# KiCad board pcb.kicad_pcb
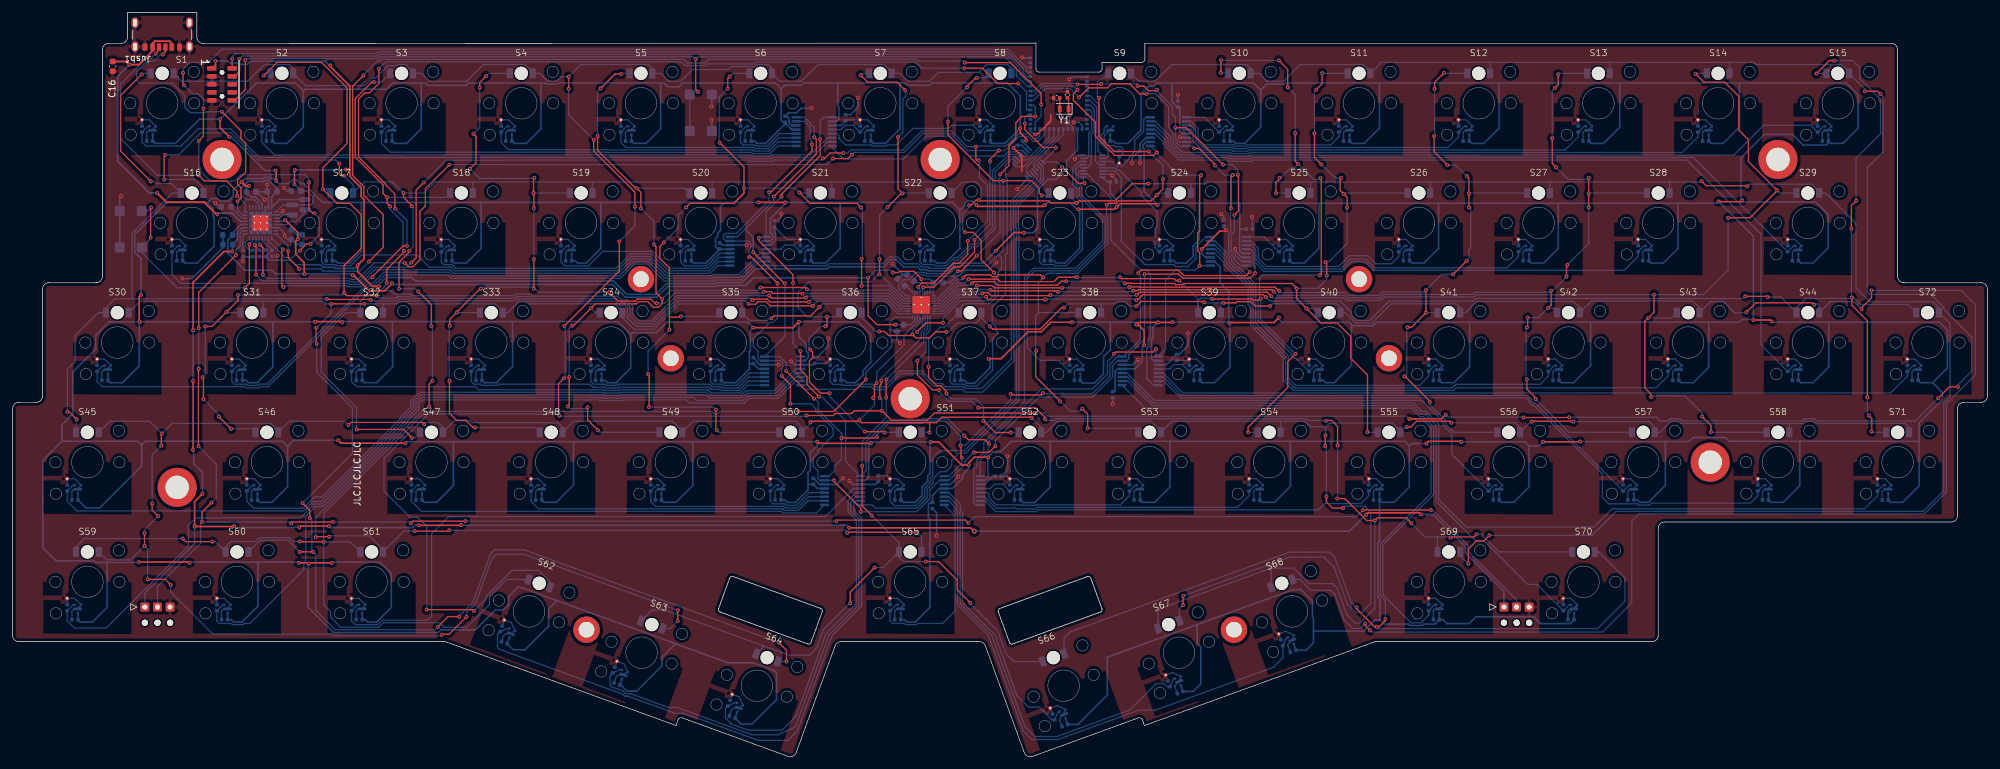
[diagram p0: board, top side]
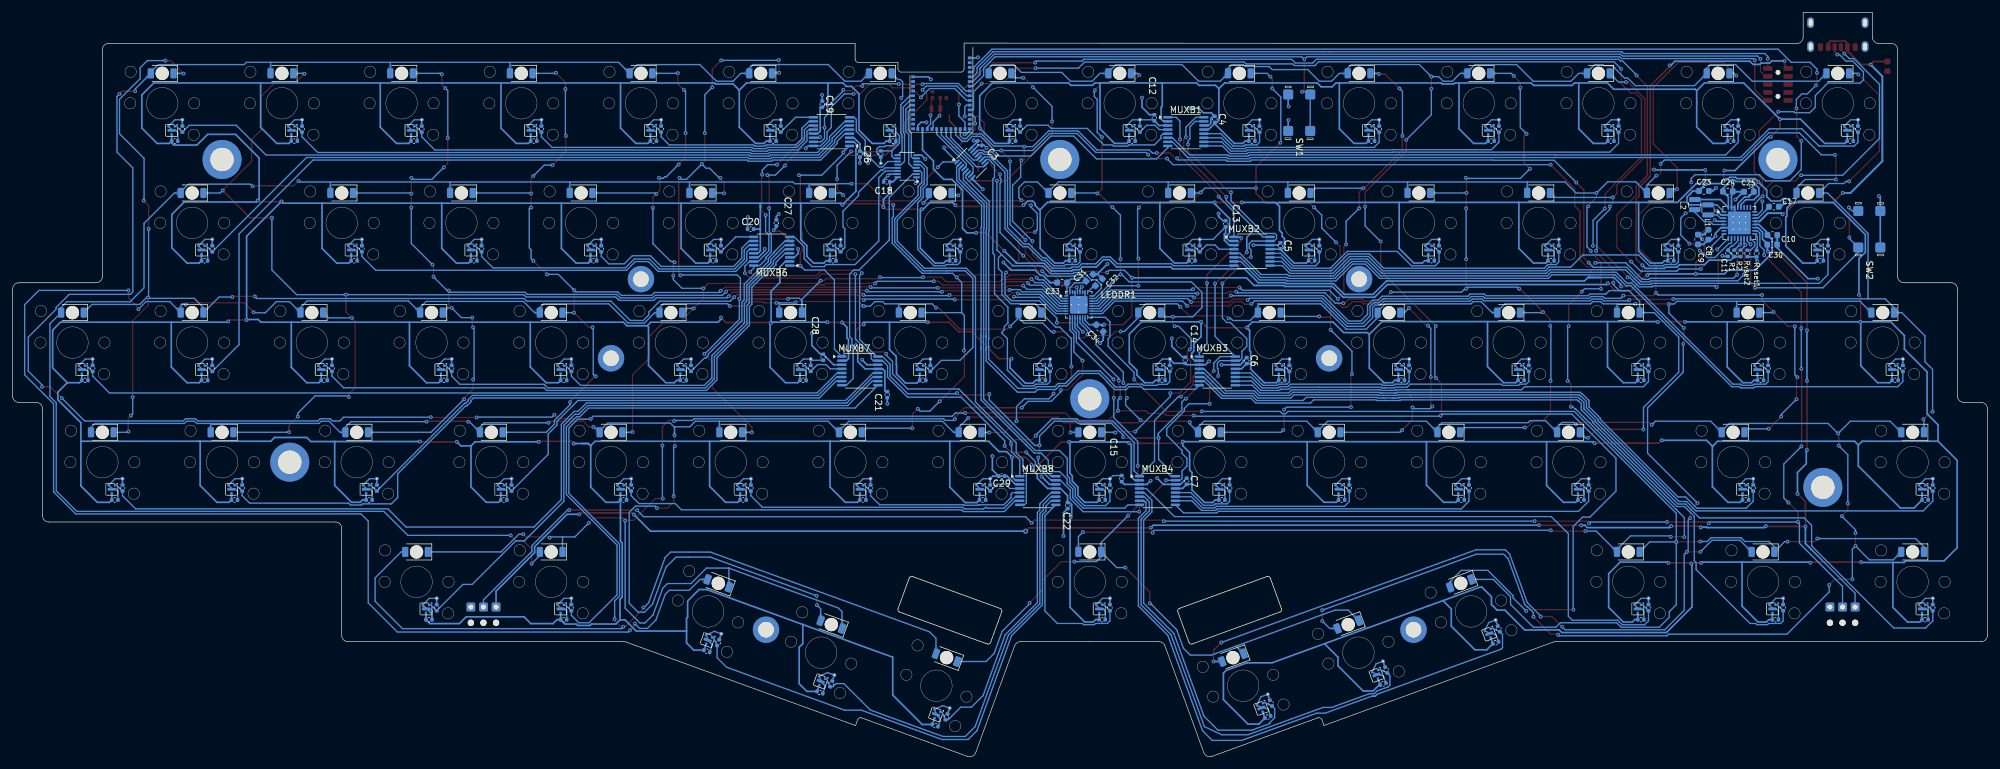
[diagram p1: board, bottom side, seen from below]

Outline 313.5 x 118.12 mm; copper layers: Top, Bottom. Coordinates in mm from the lower left corner of the outline.
Outline path: 0,55.22 arc(0.29,55.93) 1,56.22 3.75,56.22 arc(4.46,56.52) 4.75,57.22 4.75,74.22 arc(5.04,74.93) 5.75,75.22 13.25,75.22 arc(13.96,75.52) 14.25,76.22 14.25,112.22 arc(14.54,112.93) 15.25,113.22 17.25,113.22 arc(17.96,113.52) 18.25,114.22 18.25,118.12 29.25,118.12 29.25,114.22 arc(29.54,113.52) 30.25,113.22 162.45,113.27 162.45,109.17 arc(162.6,108.82) 162.95,108.67 172.45,108.67 arc(172.8,108.82) 172.95,109.17 172.95,110.22 179.25,110.22 arc(179.6,110.37) 179.75,110.72 179.75,113.22 298.25,113.22 arc(298.96,112.93) 299.25,112.22 299.25,76.22 arc(299.54,75.52) 300.25,75.22 312.5,75.22 arc(313.21,74.93) 313.5,74.22 313.5,57.22 arc(313.21,56.52) 312.5,56.22 309.75,56.22 arc(309.04,55.93) 308.75,55.22 308.75,38.22 arc(308.46,37.52) 307.75,37.22 262.25,37.22 arc(261.54,36.93) 261.25,36.22 261.25,19.22 arc(260.96,18.52) 260.25,18.22 216.45,18.22 arc(216.28,18.21) 216.11,18.16 179.68,4.9 179.35,5.82 arc(179.09,6.11) 178.71,6.12 161.89,0 arc(161.12,0.03) 160.61,0.6 154.43,17.57 arc(154.07,18.04) 153.49,18.22 131.51,18.22 arc(130.93,18.04) 130.57,17.57 124.39,0.6 arc(123.88,0.03) 123.11,0 106.29,6.12 arc(105.91,6.11) 105.65,5.82 105.32,4.9 68.89,18.16 arc(68.72,18.21) 68.55,18.22 1,18.22 arc(0.29,18.52) 0,19.22 0,55.22
Stack: Top 0.035mm / dielectric 1mm FR4 er 4.5 / Bottom 0.035mm

## Placement (name value [footprint] x y rotation side)
BAT1  ~  [PCB_Wire_Solder_3p_Connector]  23 23.72 0 top
BAT2  ~  [PCB_Wire_Solder_3p_Connector]  238.75 23.72 0 top
C1  12pF  [C_0402_1005Metric]  167.47 105.06 90 top
C2  12pF  [C_0402_1005Metric]  165.74 104.56 180 top
C3  .1uF  [C_0402_1005Metric]  159.96 97.39 45 bottom
C4  .1uF  [C_0402_1005Metric]  122.64 101.17 270 bottom
C5  .1uF  [C_0402_1005Metric]  112.23 81.09 270 bottom
C6  .1uF  [C_0402_1005Metric]  117.59 62.85 270 bottom
C7  .1uF  [C_0402_1005Metric]  127.12 43.69 270 bottom
C8  10uF  [C_0603_1608Metric]  44.29 82.86 270 bottom
C9  10uF  [C_0603_1608Metric]  45.94 82.09 270 bottom
C10  10uF  [C_0603_1608Metric]  34.14 82.8 180 bottom
C11  0.1uF  [C_0402_1005Metric]  41.18 79.89 90 bottom
C12  .1uF  [C_0402_1005Metric]  132.24 101.42 270 bottom
C13  .1uF  [C_0402_1005Metric]  120.93 84.58 270 bottom
C14  .1uF  [C_0402_1005Metric]  127.34 62.9 270 bottom
C15  .1uF  [C_0402_1005Metric]  137.43 44.12 270 bottom
C16  1uF  [C_0603_1608Metric]  15.88 109.58 270 top
C17  1uF  [C_0603_1608Metric]  33.9 87.29 180 bottom
C18  .1uF  [C_0402_1005Metric]  174.73 91.25 180 bottom
C19  .1uF  [C_0402_1005Metric]  184.96 103.58 270 bottom
C20  .1uF  [C_0402_1005Metric]  196.35 83.73 180 bottom
C21  .1uF  [C_0402_1005Metric]  174.64 57.45 90 bottom
C22  .1uF  [C_0402_1005Metric]  146.01 39.84 90 bottom
C23  10uF  [C_0603_1608Metric]  45.01 89.79 180 bottom
C24  10uF  [C_0603_1608Metric]  41.22 89.71 180 bottom
C25  2.2uF  [C_0603_1608Metric]  37.84 89.66 0 bottom
C26  .1uF  [C_0402_1005Metric]  178.99 95.64 270 bottom
C27  .1uF  [C_0402_1005Metric]  192.25 84.72 270 bottom
C28  .1uF  [C_0402_1005Metric]  184.82 63.38 270 bottom
C29  .1uF  [C_0402_1005Metric]  156.48 44.51 0 bottom
C30  2.2uF  [C_0603_1608Metric]  34.16 81.27 180 bottom
C31  1nF  [C_0603_1608Metric]  142.53 76.01 135 bottom
C32  1uF  [C_0603_1608Metric]  141.04 75.3 315 bottom
C33  1uF  [C_0603_1608Metric]  146.89 75.24 0 bottom
C34  1uF  [C_0603_1608Metric]  140.91 68 225 bottom
Cvcc1  0.1uF  [C_0402_1005Metric_Cvcc]  21.77 97.72 180 bottom
Cvcc2  0.1uF  [C_0402_1005Metric_Cvcc]  40.77 97.72 180 bottom
Cvcc3  0.1uF  [C_0402_1005Metric_Cvcc]  59.77 97.72 180 bottom
Cvcc4  0.1uF  [C_0402_1005Metric_Cvcc]  78.77 97.72 180 bottom
Cvcc5  0.1uF  [C_0402_1005Metric_Cvcc]  97.77 97.72 180 bottom
Cvcc6  0.1uF  [C_0402_1005Metric_Cvcc]  116.77 97.72 180 bottom
Cvcc7  0.1uF  [C_0402_1005Metric_Cvcc]  135.77 97.72 180 bottom
Cvcc8  0.1uF  [C_0402_1005Metric_Cvcc]  154.77 97.72 180 bottom
Cvcc9  0.1uF  [C_0402_1005Metric_Cvcc]  173.77 97.72 180 bottom
Cvcc10  0.1uF  [C_0402_1005Metric_Cvcc]  192.77 97.72 180 bottom
Cvcc11  0.1uF  [C_0402_1005Metric_Cvcc]  211.77 97.72 180 bottom
Cvcc12  0.1uF  [C_0402_1005Metric_Cvcc]  230.77 97.72 180 bottom
Cvcc13  0.1uF  [C_0402_1005Metric_Cvcc]  249.77 97.72 180 bottom
Cvcc14  0.1uF  [C_0402_1005Metric_Cvcc]  268.77 97.72 180 bottom
Cvcc15  0.1uF  [C_0402_1005Metric_Cvcc]  287.77 97.72 180 bottom
Cvcc16  0.1uF  [C_0402_1005Metric_Cvcc]  26.52 78.72 180 bottom
Cvcc17  0.1uF  [C_0402_1005Metric_Cvcc]  50.27 78.72 180 bottom
Cvcc18  0.1uF  [C_0402_1005Metric_Cvcc]  69.27 78.72 180 bottom
Cvcc19  0.1uF  [C_0402_1005Metric_Cvcc]  88.27 78.72 180 bottom
Cvcc20  0.1uF  [C_0402_1005Metric_Cvcc]  107.27 78.72 180 bottom
Cvcc21  0.1uF  [C_0402_1005Metric_Cvcc]  126.27 78.72 180 bottom
Cvcc22  0.1uF  [C_0402_1005Metric_Cvcc]  145.27 78.72 180 bottom
Cvcc23  0.1uF  [C_0402_1005Metric_Cvcc]  164.27 78.72 180 bottom
Cvcc24  0.1uF  [C_0402_1005Metric_Cvcc]  183.27 78.72 180 bottom
Cvcc25  0.1uF  [C_0402_1005Metric_Cvcc]  202.27 78.72 180 bottom
Cvcc26  0.1uF  [C_0402_1005Metric_Cvcc]  221.27 78.72 180 bottom
Cvcc27  0.1uF  [C_0402_1005Metric_Cvcc]  240.27 78.72 180 bottom
Cvcc28  0.1uF  [C_0402_1005Metric_Cvcc]  259.27 78.72 180 bottom
Cvcc29  0.1uF  [C_0402_1005Metric_Cvcc]  283.02 78.72 180 bottom
Cvcc30  0.1uF  [C_0402_1005Metric_Cvcc]  14.64 59.72 180 bottom
Cvcc31  0.1uF  [C_0402_1005Metric_Cvcc]  36.02 59.72 180 bottom
Cvcc32  0.1uF  [C_0402_1005Metric_Cvcc]  55.02 59.72 180 bottom
Cvcc33  0.1uF  [C_0402_1005Metric_Cvcc]  74.02 59.72 180 bottom
Cvcc34  0.1uF  [C_0402_1005Metric_Cvcc]  93.02 59.72 180 bottom
Cvcc35  0.1uF  [C_0402_1005Metric_Cvcc]  112.02 59.72 180 bottom
Cvcc36  0.1uF  [C_0402_1005Metric_Cvcc]  131.02 59.72 180 bottom
Cvcc37  0.1uF  [C_0402_1005Metric_Cvcc]  150.02 59.72 180 bottom
Cvcc38  0.1uF  [C_0402_1005Metric_Cvcc]  169.02 59.72 180 bottom
Cvcc39  0.1uF  [C_0402_1005Metric_Cvcc]  188.02 59.72 180 bottom
Cvcc40  0.1uF  [C_0402_1005Metric_Cvcc]  207.02 59.72 180 bottom
Cvcc41  0.1uF  [C_0402_1005Metric_Cvcc]  226.02 59.72 180 bottom
Cvcc42  0.1uF  [C_0402_1005Metric_Cvcc]  245.02 59.72 180 bottom
Cvcc43  0.1uF  [C_0402_1005Metric_Cvcc]  264.02 59.72 180 bottom
Cvcc44  0.1uF  [C_0402_1005Metric_Cvcc]  283.02 59.72 180 bottom
Cvcc45  0.1uF  [C_0402_1005Metric_Cvcc]  9.89 40.72 180 bottom
Cvcc46  0.1uF  [C_0402_1005Metric_Cvcc]  38.4 40.72 180 bottom
Cvcc47  0.1uF  [C_0402_1005Metric_Cvcc]  64.52 40.72 180 bottom
Cvcc48  0.1uF  [C_0402_1005Metric_Cvcc]  83.52 40.72 180 bottom
Cvcc49  0.1uF  [C_0402_1005Metric_Cvcc]  102.52 40.72 180 bottom
Cvcc50  0.1uF  [C_0402_1005Metric_Cvcc]  121.52 40.72 180 bottom
Cvcc51  0.1uF  [C_0402_1005Metric_Cvcc]  140.52 40.72 180 bottom
Cvcc52  0.1uF  [C_0402_1005Metric_Cvcc]  159.52 40.72 180 bottom
Cvcc53  0.1uF  [C_0402_1005Metric_Cvcc]  178.52 40.72 180 bottom
Cvcc54  0.1uF  [C_0402_1005Metric_Cvcc]  197.52 40.72 180 bottom
Cvcc55  0.1uF  [C_0402_1005Metric_Cvcc]  216.52 40.72 180 bottom
Cvcc56  0.1uF  [C_0402_1005Metric_Cvcc]  235.52 40.72 180 bottom
Cvcc57  0.1uF  [C_0402_1005Metric_Cvcc]  256.89 40.72 180 bottom
Cvcc58  0.1uF  [C_0402_1005Metric_Cvcc]  278.27 40.72 180 bottom
Cvcc59  0.1uF  [C_0402_1005Metric_Cvcc]  9.89 21.72 180 bottom
Cvcc60  0.1uF  [C_0402_1005Metric_Cvcc]  33.64 21.72 180 bottom
Cvcc61  0.1uF  [C_0402_1005Metric_Cvcc]  55.02 21.72 180 bottom
Cvcc62  0.1uF  [C_0402_1005Metric_Cvcc]  78.06 18.06 160 bottom
Cvcc63  0.1uF  [C_0402_1005Metric_Cvcc]  95.94 11.51 160 bottom
Cvcc64  0.1uF  [C_0402_1005Metric_Cvcc]  114.24 6.26 160 bottom
Cvcc65  0.1uF  [C_0402_1005Metric_Cvcc]  140.52 21.72 180 bottom
Cvcc66  0.1uF  [C_0402_1005Metric_Cvcc]  167.04 4.91 200 bottom
Cvcc67  0.1uF  [C_0402_1005Metric_Cvcc]  185.34 10.16 200 bottom
Cvcc68  0.1uF  [C_0402_1005Metric_Cvcc]  203.29 16.71 200 bottom
Cvcc69  0.1uF  [C_0402_1005Metric_Cvcc]  226.02 21.72 180 bottom
Cvcc70  0.1uF  [C_0402_1005Metric_Cvcc]  247.4 21.72 180 bottom
Cvcc71  0.1uF  [C_0402_1005Metric_Cvcc]  297.27 40.72 180 bottom
Cvcc72  0.1uF  [C_0402_1005Metric_Cvcc]  302.02 59.72 180 bottom
Cvout1  0.1nF  [C_0402_1005Metric_Cvout]  20.55 99.62 90 bottom
Cvout2  0.1nF  [C_0402_1005Metric_Cvout]  39.55 99.62 90 bottom
Cvout3  0.1nF  [C_0402_1005Metric_Cvout]  58.55 99.62 90 bottom
Cvout4  0.1nF  [C_0402_1005Metric_Cvout]  77.55 99.62 90 bottom
Cvout5  0.1nF  [C_0402_1005Metric_Cvout]  96.55 99.62 90 bottom
Cvout6  0.1nF  [C_0402_1005Metric_Cvout]  115.55 99.62 90 bottom
Cvout7  0.1nF  [C_0402_1005Metric_Cvout]  134.55 99.62 90 bottom
Cvout8  0.1nF  [C_0402_1005Metric_Cvout]  153.55 99.62 90 bottom
Cvout9  0.1nF  [C_0402_1005Metric_Cvout]  175.68 95.67 270 bottom
Cvout10  0.1nF  [C_0402_1005Metric_Cvout]  191.55 99.62 90 bottom
Cvout11  0.1nF  [C_0402_1005Metric_Cvout]  210.55 99.62 90 bottom
Cvout12  0.1nF  [C_0402_1005Metric_Cvout]  229.55 99.62 90 bottom
Cvout13  0.1nF  [C_0402_1005Metric_Cvout]  248.55 99.62 90 bottom
Cvout14  0.1nF  [C_0402_1005Metric_Cvout]  267.55 99.62 90 bottom
Cvout15  0.1nF  [C_0402_1005Metric_Cvout]  286.55 99.62 90 bottom
Cvout16  0.1nF  [C_0402_1005Metric_Cvout]  25.3 80.62 90 bottom
Cvout17  0.1nF  [C_0402_1005Metric_Cvout]  49.05 80.62 90 bottom
Cvout18  0.1nF  [C_0402_1005Metric_Cvout]  68.05 80.62 90 bottom
Cvout19  0.1nF  [C_0402_1005Metric_Cvout]  87.05 80.62 90 bottom
Cvout20  0.1nF  [C_0402_1005Metric_Cvout]  106.05 80.62 90 bottom
Cvout21  0.1nF  [C_0402_1005Metric_Cvout]  125.05 80.62 90 bottom
Cvout22  0.1nF  [C_0402_1005Metric_Cvout]  144.05 80.62 90 bottom
Cvout23  0.1nF  [C_0402_1005Metric_Cvout]  163.05 80.62 90 bottom
Cvout24  0.1nF  [C_0402_1005Metric_Cvout]  182.05 80.62 90 bottom
Cvout25  0.1nF  [C_0402_1005Metric_Cvout]  201.05 80.62 90 bottom
Cvout26  0.1nF  [C_0402_1005Metric_Cvout]  220.05 80.62 90 bottom
Cvout27  0.1nF  [C_0402_1005Metric_Cvout]  239.05 80.62 90 bottom
Cvout28  0.1nF  [C_0402_1005Metric_Cvout]  258.05 80.62 90 bottom
Cvout29  0.1nF  [C_0402_1005Metric_Cvout]  281.8 80.62 90 bottom
Cvout30  0.1nF  [C_0402_1005Metric_Cvout]  13.43 61.62 90 bottom
Cvout31  0.1nF  [C_0402_1005Metric_Cvout]  34.8 61.62 90 bottom
Cvout32  0.1nF  [C_0402_1005Metric_Cvout]  53.8 61.62 90 bottom
Cvout33  0.1nF  [C_0402_1005Metric_Cvout]  72.8 61.62 90 bottom
Cvout34  0.1nF  [C_0402_1005Metric_Cvout]  91.8 61.62 90 bottom
Cvout35  0.1nF  [C_0402_1005Metric_Cvout]  110.8 61.62 90 bottom
Cvout36  0.1nF  [C_0402_1005Metric_Cvout]  129.8 61.62 90 bottom
Cvout37  0.1nF  [C_0402_1005Metric_Cvout]  148.8 61.62 90 bottom
Cvout38  0.1nF  [C_0402_1005Metric_Cvout]  167.8 61.62 90 bottom
Cvout39  0.1nF  [C_0402_1005Metric_Cvout]  186.8 61.62 90 bottom
Cvout40  0.1nF  [C_0402_1005Metric_Cvout]  205.8 61.62 90 bottom
Cvout41  0.1nF  [C_0402_1005Metric_Cvout]  224.8 61.62 90 bottom
Cvout42  0.1nF  [C_0402_1005Metric_Cvout]  243.8 61.62 90 bottom
Cvout43  0.1nF  [C_0402_1005Metric_Cvout]  262.8 61.62 90 bottom
Cvout44  0.1nF  [C_0402_1005Metric_Cvout]  281.8 61.62 90 bottom
Cvout45  0.1nF  [C_0402_1005Metric_Cvout]  8.68 42.62 90 bottom
Cvout46  0.1nF  [C_0402_1005Metric_Cvout]  37.17 42.62 90 bottom
Cvout47  0.1nF  [C_0402_1005Metric_Cvout]  63.3 42.62 90 bottom
Cvout48  0.1nF  [C_0402_1005Metric_Cvout]  82.3 42.62 90 bottom
Cvout49  0.1nF  [C_0402_1005Metric_Cvout]  101.3 42.62 90 bottom
Cvout50  0.1nF  [C_0402_1005Metric_Cvout]  120.3 42.62 90 bottom
Cvout51  0.1nF  [C_0402_1005Metric_Cvout]  139.3 42.62 90 bottom
Cvout52  0.1nF  [C_0402_1005Metric_Cvout]  158.3 42.62 90 bottom
Cvout53  0.1nF  [C_0402_1005Metric_Cvout]  177.3 42.62 90 bottom
Cvout54  0.1nF  [C_0402_1005Metric_Cvout]  196.3 42.62 90 bottom
Cvout55  0.1nF  [C_0402_1005Metric_Cvout]  215.3 42.62 90 bottom
Cvout56  0.1nF  [C_0402_1005Metric_Cvout]  234.3 42.62 90 bottom
Cvout57  0.1nF  [C_0402_1005Metric_Cvout]  255.68 42.62 90 bottom
Cvout58  0.1nF  [C_0402_1005Metric_Cvout]  277.05 42.62 90 bottom
Cvout59  0.1nF  [C_0402_1005Metric_Cvout]  8.68 23.62 90 bottom
Cvout60  0.1nF  [C_0402_1005Metric_Cvout]  32.42 23.62 90 bottom
Cvout61  0.1nF  [C_0402_1005Metric_Cvout]  53.8 23.62 90 bottom
Cvout62  0.1nF  [C_0402_1005Metric_Cvout]  77.57 20.27 70 bottom
Cvout63  0.1nF  [C_0402_1005Metric_Cvout]  95.44 13.72 70 bottom
Cvout64  0.1nF  [C_0402_1005Metric_Cvout]  113.74 8.47 70 bottom
Cvout65  0.1nF  [C_0402_1005Metric_Cvout]  139.3 23.62 90 bottom
Cvout66  0.1nF  [C_0402_1005Metric_Cvout]  165.25 6.28 110 bottom
Cvout67  0.1nF  [C_0402_1005Metric_Cvout]  183.55 11.53 110 bottom
Cvout68  0.1nF  [C_0402_1005Metric_Cvout]  201.5 18.08 110 bottom
Cvout69  0.1nF  [C_0402_1005Metric_Cvout]  224.8 23.62 90 bottom
Cvout70  0.1nF  [C_0402_1005Metric_Cvout]  246.18 23.62 90 bottom
Cvout71  0.1nF  [C_0402_1005Metric_Cvout]  296.05 42.62 90 bottom
Cvout72  0.1nF  [C_0402_1005Metric_Cvout]  300.8 61.62 90 bottom
D1  Green LED  [LED_1206_3216Metric_ReverseMount_Hole2.1mm]  23.75 108.47 0 bottom
D2  Green LED  [LED_1206_3216Metric_ReverseMount_Hole2.1mm]  42.75 108.47 0 bottom
D3  Green LED  [LED_1206_3216Metric_ReverseMount_Hole2.1mm]  61.75 108.47 0 bottom
D4  Green LED  [LED_1206_3216Metric_ReverseMount_Hole2.1mm]  80.75 108.47 0 bottom
D5  Green LED  [LED_1206_3216Metric_ReverseMount_Hole2.1mm]  99.75 108.47 0 bottom
D6  Green LED  [LED_1206_3216Metric_ReverseMount_Hole2.1mm]  118.75 108.47 0 bottom
D7  Green LED  [LED_1206_3216Metric_ReverseMount_Hole2.1mm]  137.75 108.47 0 bottom
D8  Green LED  [LED_1206_3216Metric_ReverseMount_Hole2.1mm]  156.75 108.47 0 bottom
D9  Green LED  [LED_1206_3216Metric_ReverseMount_Hole2.1mm]  175.75 108.47 0 bottom
D10  Green LED  [LED_1206_3216Metric_ReverseMount_Hole2.1mm]  194.75 108.47 0 bottom
D11  Green LED  [LED_1206_3216Metric_ReverseMount_Hole2.1mm]  213.75 108.47 0 bottom
D12  Green LED  [LED_1206_3216Metric_ReverseMount_Hole2.1mm]  232.75 108.47 0 bottom
D13  Green LED  [LED_1206_3216Metric_ReverseMount_Hole2.1mm]  251.75 108.47 0 bottom
D14  Green LED  [LED_1206_3216Metric_ReverseMount_Hole2.1mm]  270.75 108.47 0 bottom
D15  Green LED  [LED_1206_3216Metric_ReverseMount_Hole2.1mm]  289.75 108.47 0 bottom
D16  Green LED  [LED_1206_3216Metric_ReverseMount_Hole2.1mm]  28.5 89.47 0 bottom
D17  Green LED  [LED_1206_3216Metric_ReverseMount_Hole2.1mm]  52.25 89.47 0 bottom
D18  Green LED  [LED_1206_3216Metric_ReverseMount_Hole2.1mm]  71.25 89.47 0 bottom
D19  Green LED  [LED_1206_3216Metric_ReverseMount_Hole2.1mm]  90.25 89.47 0 bottom
D20  Green LED  [LED_1206_3216Metric_ReverseMount_Hole2.1mm]  109.25 89.47 0 bottom
D21  Green LED  [LED_1206_3216Metric_ReverseMount_Hole2.1mm]  128.25 89.47 0 bottom
D22  Green LED  [LED_1206_3216Metric_ReverseMount_Hole2.1mm]  147.25 89.47 0 bottom
D23  Green LED  [LED_1206_3216Metric_ReverseMount_Hole2.1mm]  166.25 89.47 0 bottom
D24  Green LED  [LED_1206_3216Metric_ReverseMount_Hole2.1mm]  185.25 89.47 0 bottom
D25  Green LED  [LED_1206_3216Metric_ReverseMount_Hole2.1mm]  204.25 89.47 0 bottom
D26  Green LED  [LED_1206_3216Metric_ReverseMount_Hole2.1mm]  223.25 89.47 0 bottom
D27  Green LED  [LED_1206_3216Metric_ReverseMount_Hole2.1mm]  242.25 89.47 0 bottom
D28  Green LED  [LED_1206_3216Metric_ReverseMount_Hole2.1mm]  261.25 89.47 0 bottom
D29  Green LED  [LED_1206_3216Metric_ReverseMount_Hole2.1mm]  285 89.47 0 bottom
D30  Green LED  [LED_1206_3216Metric_ReverseMount_Hole2.1mm]  16.62 70.47 0 bottom
D31  Green LED  [LED_1206_3216Metric_ReverseMount_Hole2.1mm]  38 70.47 0 bottom
D32  Green LED  [LED_1206_3216Metric_ReverseMount_Hole2.1mm]  57 70.47 0 bottom
D33  Green LED  [LED_1206_3216Metric_ReverseMount_Hole2.1mm]  76 70.47 0 bottom
D34  Green LED  [LED_1206_3216Metric_ReverseMount_Hole2.1mm]  95 70.47 0 bottom
D35  Green LED  [LED_1206_3216Metric_ReverseMount_Hole2.1mm]  114 70.47 0 bottom
D36  Green LED  [LED_1206_3216Metric_ReverseMount_Hole2.1mm]  133 70.47 0 bottom
D37  Green LED  [LED_1206_3216Metric_ReverseMount_Hole2.1mm]  152 70.47 0 bottom
D38  Green LED  [LED_1206_3216Metric_ReverseMount_Hole2.1mm]  171 70.47 0 bottom
D39  Green LED  [LED_1206_3216Metric_ReverseMount_Hole2.1mm]  190 70.47 0 bottom
D40  Green LED  [LED_1206_3216Metric_ReverseMount_Hole2.1mm]  209 70.47 0 bottom
D41  Green LED  [LED_1206_3216Metric_ReverseMount_Hole2.1mm]  228 70.47 0 bottom
D42  Green LED  [LED_1206_3216Metric_ReverseMount_Hole2.1mm]  247 70.47 0 bottom
D43  Green LED  [LED_1206_3216Metric_ReverseMount_Hole2.1mm]  266 70.47 0 bottom
D44  Green LED  [LED_1206_3216Metric_ReverseMount_Hole2.1mm]  285 70.47 0 bottom
D45  Green LED  [LED_1206_3216Metric_ReverseMount_Hole2.1mm]  11.88 51.47 0 bottom
D46  Green LED  [LED_1206_3216Metric_ReverseMount_Hole2.1mm]  40.38 51.47 0 bottom
D47  Green LED  [LED_1206_3216Metric_ReverseMount_Hole2.1mm]  66.5 51.47 0 bottom
D48  Green LED  [LED_1206_3216Metric_ReverseMount_Hole2.1mm]  85.5 51.47 0 bottom
D49  Green LED  [LED_1206_3216Metric_ReverseMount_Hole2.1mm]  104.5 51.47 0 bottom
D50  Green LED  [LED_1206_3216Metric_ReverseMount_Hole2.1mm]  123.5 51.47 0 bottom
D51  Green LED  [LED_1206_3216Metric_ReverseMount_Hole2.1mm]  142.5 51.47 0 bottom
D52  Green LED  [LED_1206_3216Metric_ReverseMount_Hole2.1mm]  161.5 51.47 0 bottom
D53  Green LED  [LED_1206_3216Metric_ReverseMount_Hole2.1mm]  180.5 51.47 0 bottom
D54  Green LED  [LED_1206_3216Metric_ReverseMount_Hole2.1mm]  199.5 51.47 0 bottom
D55  Green LED  [LED_1206_3216Metric_ReverseMount_Hole2.1mm]  218.5 51.47 0 bottom
D56  Green LED  [LED_1206_3216Metric_ReverseMount_Hole2.1mm]  237.5 51.47 0 bottom
D57  Green LED  [LED_1206_3216Metric_ReverseMount_Hole2.1mm]  258.88 51.47 0 bottom
D58  Green LED  [LED_1206_3216Metric_ReverseMount_Hole2.1mm]  280.25 51.47 0 bottom
D59  Green LED  [LED_1206_3216Metric_ReverseMount_Hole2.1mm]  11.88 32.47 0 bottom
D60  Green LED  [LED_1206_3216Metric_ReverseMount_Hole2.1mm]  35.62 32.47 0 bottom
D61  Green LED  [LED_1206_3216Metric_ReverseMount_Hole2.1mm]  57 32.47 0 bottom
D62  Green LED  [LED_1206_3216Metric_ReverseMount_Hole2.1mm]  83.6 27.49 340 bottom
D63  Green LED  [LED_1206_3216Metric_ReverseMount_Hole2.1mm]  101.47 20.94 340 bottom
D64  Green LED  [LED_1206_3216Metric_ReverseMount_Hole2.1mm]  119.77 15.69 340 bottom
D65  Green LED  [LED_1206_3216Metric_ReverseMount_Hole2.1mm]  142.5 32.47 0 bottom
D66  Green LED  [LED_1206_3216Metric_ReverseMount_Hole2.1mm]  165.23 15.69 20 bottom
D67  Green LED  [LED_1206_3216Metric_ReverseMount_Hole2.1mm]  183.53 20.94 20 bottom
D68  Green LED  [LED_1206_3216Metric_ReverseMount_Hole2.1mm]  201.48 27.49 20 bottom
D69  Green LED  [LED_1206_3216Metric_ReverseMount_Hole2.1mm]  228 32.47 0 bottom
D70  Green LED  [LED_1206_3216Metric_ReverseMount_Hole2.1mm]  249.38 32.47 0 bottom
D71  Green LED  [LED_1206_3216Metric_ReverseMount_Hole2.1mm]  299.25 51.47 0 bottom
D72  Green LED  [LED_1206_3216Metric_ReverseMount_Hole2.1mm]  304 70.47 0 bottom
Hm1  M1.4_smtso  [SMTSO_M1.4_M1.6]  104.5 63.22 0 top
Hm2  M1.4_smtso  [SMTSO_M1.4_M1.6]  218.5 63.22 0 top
Hs1  M2_Pad  [SMTSO_M2]  33.25 94.79 0 top
Hs2  M2_Pad  [SMTSO_M2]  147.25 94.79 0 top
Hs3  M2_Pad  [SMTSO_M2]  280.25 94.79 0 top
Hs4  M2_Pad  [SMTSO_M2]  26.12 42.72 0 top
Hs5  M2_Pad  [SMTSO_M2]  142.5 56.79 0 top
Hs6  M2_Pad  [SMTSO_M1.4_M1.6]  91.11 20.12 0 top
Hs7  M2_Pad  [SMTSO_M1.4_M1.6]  193.9 20.12 0 top
Hs8  M2_Pad  [SMTSO_M1.4_M1.6]  99.75 75.79 0 top
Hs9  M2_Pad  [SMTSO_M1.4_M1.6]  213.75 75.79 0 top
Hs10  M2_Pad  [SMTSO_M2]  269.5 46.72 0 top
JLC1  -  [JLC_Order_Num]  54.81 44.96 90 top
JTAG1  Conn_ARM_JTAG_SWD_10  [SAMTEC-CLP-105-02-X-D-A]  33.25 106.72 270 top
Jusb1  USB_C_Receptacle_PowerOnly_6P  [USB_C_Receptacle_GCT_USB4125-xx-x_6P_TopMnt_Horizontal]  23.75 115.72 180 top
L1  2.2uH  [L_Samsung_CIGT201610EH2R2MNE]  44.36 86.79 270 bottom
L2  2.2uH  [L_Samsung_CIGT201610EH2R2MNE]  46.46 87.63 270 bottom
LEDDR1  LP5864  [LP5864-VQFN-32-1EP_4x4mm_P0.4mm_EP2.8x2.8mm_ThermalVias]  144.25 71.72 180 bottom
M1  Ezurio BL54L15 (nrf54L15) module  [Ezurio_BL54L15_Module]  161.05 99.12 90 bottom
MUXA1  TMUX1574DYY  [Texas_DYY0016A_TSOT-23-16_2x4.2mm_P0.5mm]  161.25 94.22 135 bottom
MUXA2  TMUX1574DYY  [Texas_DYY0016A_TSOT-23-16_2x4.2mm_P0.5mm]  171.5 93.72 0 bottom
MUXB1  TMUX1108PW  [TSSOP-16_4.4x5mm_P0.65mm]  127.25 99.22 180 bottom
MUXB2  TMUX1108PW  [TSSOP-16_4.4x5mm_P0.65mm]  116.75 80.22 180 bottom
MUXB3  TMUX1108PW  [TSSOP-16_4.4x5mm_P0.65mm]  122.25 61.22 180 bottom
MUXB4  TMUX1108PW  [TSSOP-16_4.4x5mm_P0.65mm]  131.75 42.22 180 bottom
MUXB5  TMUX1108PW  [TSSOP-16_4.4x5mm_P0.65mm]  183.5 99.22 0 bottom
MUXB6  TMUX1108PW  [TSSOP-16_4.4x5mm_P0.65mm]  193 80.22 0 bottom
MUXB7  TMUX1108PW  [TSSOP-16_4.4x5mm_P0.65mm]  179 61.22 180 bottom
MUXB8  TMUX1108PW  [TSSOP-16_4.4x5mm_P0.65mm]  150.75 42.22 180 bottom
PMIC1  nPM1300-QEXX  [QFN-32-1EP_5x5mm_P0.5mm_EP3.6x3.6mm_ThermalVias]  39.38 84.72 180 bottom
R1  10k  [R_0402_1005Metric]  39.19 79.88 90 bottom
R2  10k  [R_0402_1005Metric]  40.2 79.88 90 bottom
Rvset1  47k  [R_0402_1005Metric]  36.64 79.85 90 bottom
Rvset2  4.7k  [R_0402_1005Metric]  38.11 79.87 90 bottom
S1  Switch  [Kailh_gateron_sw_lowpro]  23.75 103.72 0 top
S2  Switch  [Kailh_gateron_sw_lowpro]  42.75 103.72 0 top
S3  Switch  [Kailh_gateron_sw_lowpro]  61.75 103.72 0 top
S4  Switch  [Kailh_gateron_sw_lowpro]  80.75 103.72 0 top
S5  Switch  [Kailh_gateron_sw_lowpro]  99.75 103.72 0 top
S6  Switch  [Kailh_gateron_sw_lowpro]  118.75 103.72 0 top
S7  Switch  [Kailh_gateron_sw_lowpro]  137.75 103.72 0 top
S8  Switch  [Kailh_gateron_sw_lowpro]  156.75 103.72 0 top
S9  Switch  [Kailh_gateron_sw_lowpro]  175.75 103.72 0 top
S10  Switch  [Kailh_gateron_sw_lowpro]  194.75 103.72 0 top
S11  Switch  [Kailh_gateron_sw_lowpro]  213.75 103.72 0 top
S12  Switch  [Kailh_gateron_sw_lowpro]  232.75 103.72 0 top
S13  Switch  [Kailh_gateron_sw_lowpro]  251.75 103.72 0 top
S14  Switch  [Kailh_gateron_sw_lowpro]  270.75 103.72 0 top
S15  Switch  [Kailh_gateron_sw_lowpro]  289.75 103.72 0 top
S16  Switch  [Kailh_gateron_sw_lowpro]  28.5 84.72 0 top
S17  Switch  [Kailh_gateron_sw_lowpro]  52.25 84.72 0 top
S18  Switch  [Kailh_gateron_sw_lowpro]  71.25 84.72 0 top
S19  Switch  [Kailh_gateron_sw_lowpro]  90.25 84.72 0 top
S20  Switch  [Kailh_gateron_sw_lowpro]  109.25 84.72 0 top
S21  Switch  [Kailh_gateron_sw_lowpro]  128.25 84.72 0 top
S22  Switch  [Kailh_gateron_sw_lowpro]  147.25 84.72 0 top
S23  Switch  [Kailh_gateron_sw_lowpro]  166.25 84.72 0 top
S24  Switch  [Kailh_gateron_sw_lowpro]  185.25 84.72 0 top
S25  Switch  [Kailh_gateron_sw_lowpro]  204.25 84.72 0 top
S26  Switch  [Kailh_gateron_sw_lowpro]  223.25 84.72 0 top
S27  Switch  [Kailh_gateron_sw_lowpro]  242.25 84.72 0 top
S28  Switch  [Kailh_gateron_sw_lowpro]  261.25 84.72 0 top